# KiCad board Tiboard.kicad_pcb
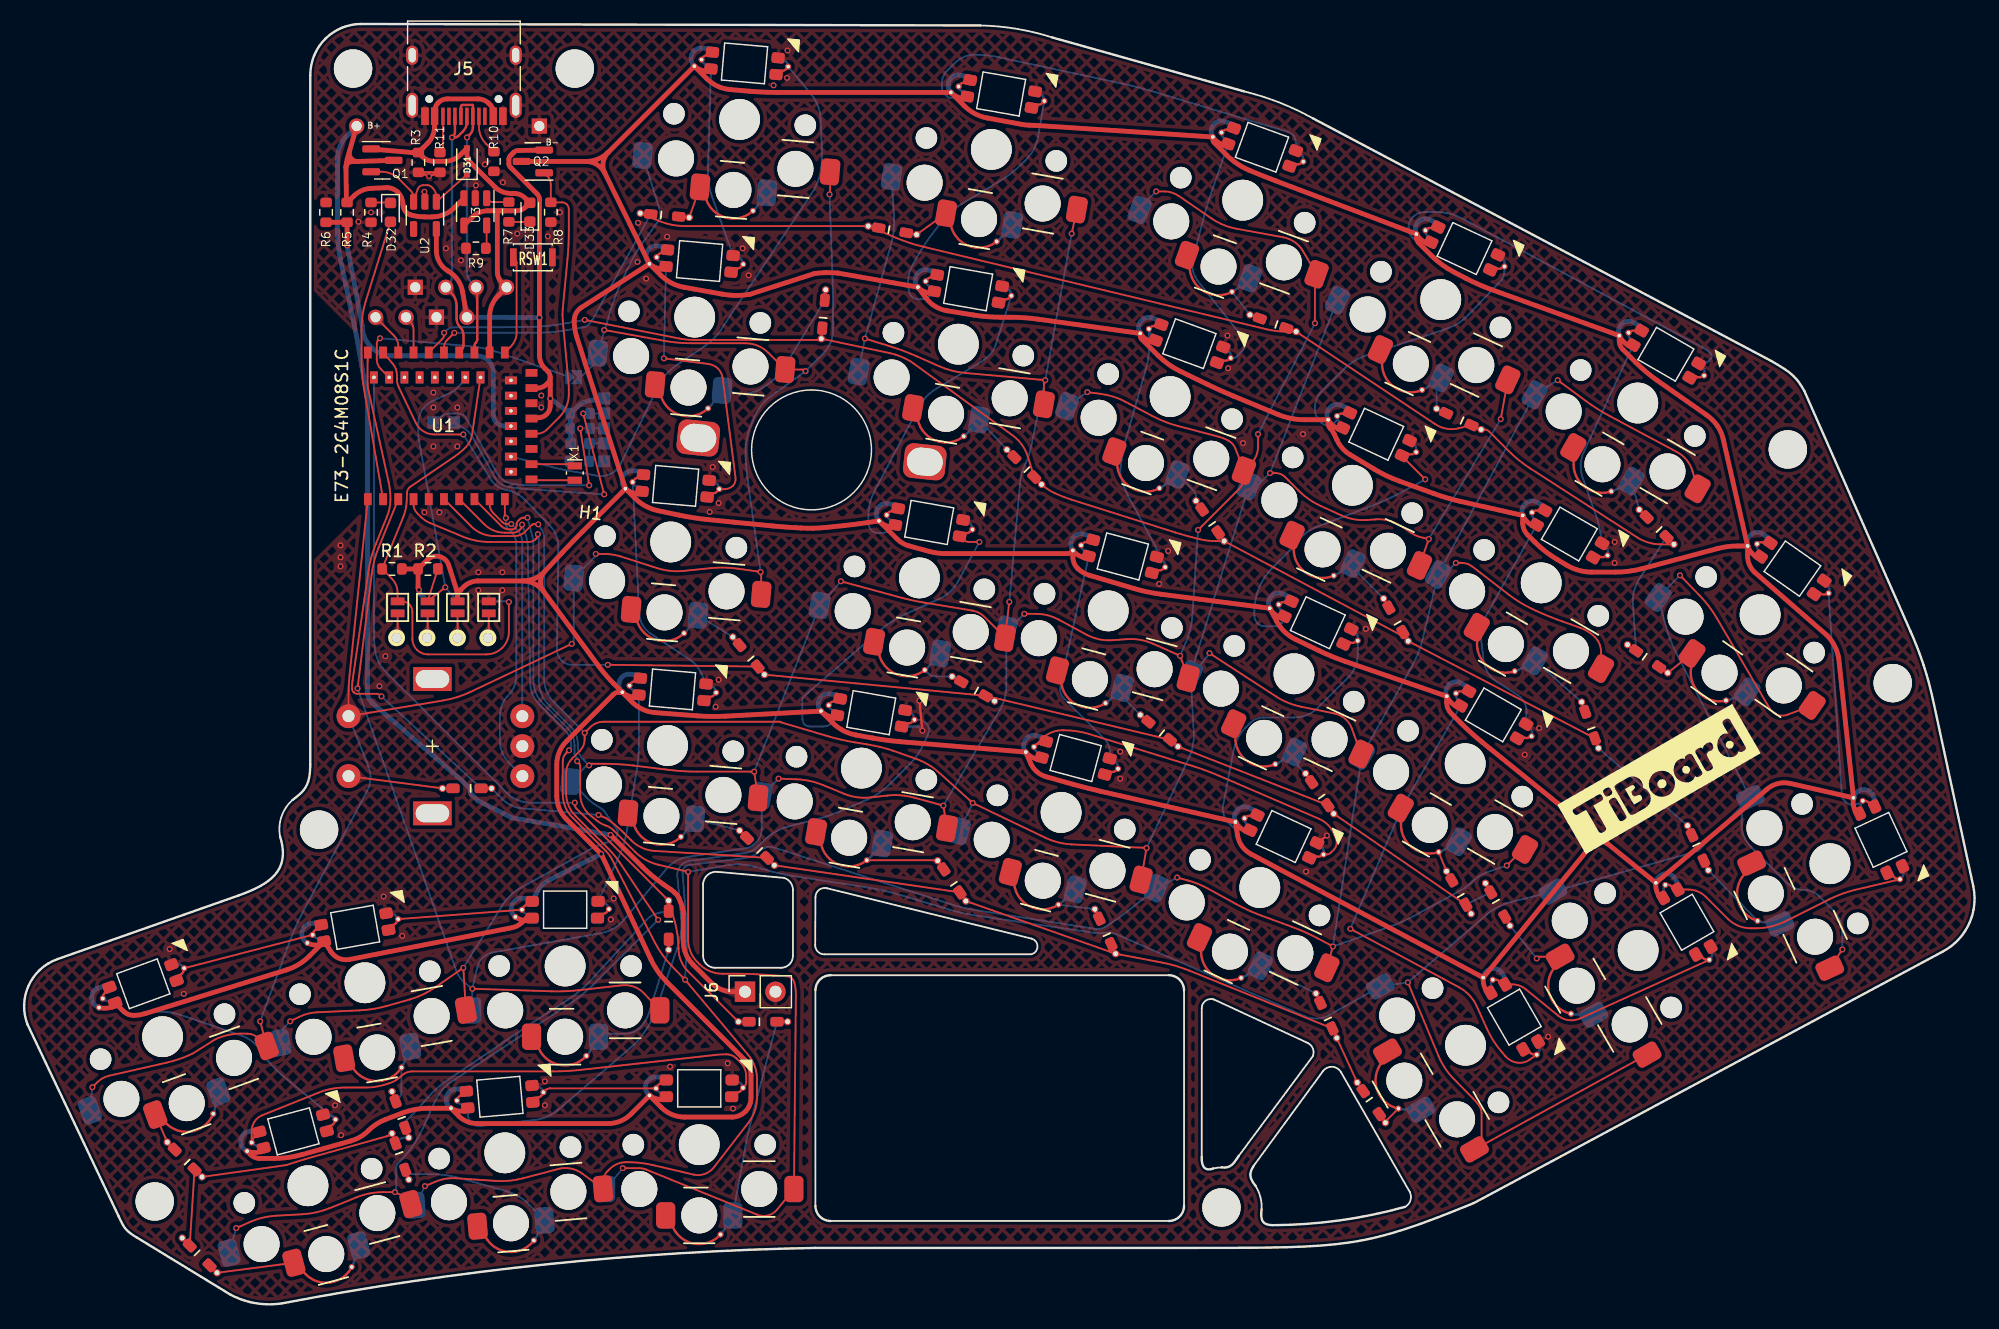
[diagram p0: board, top side]
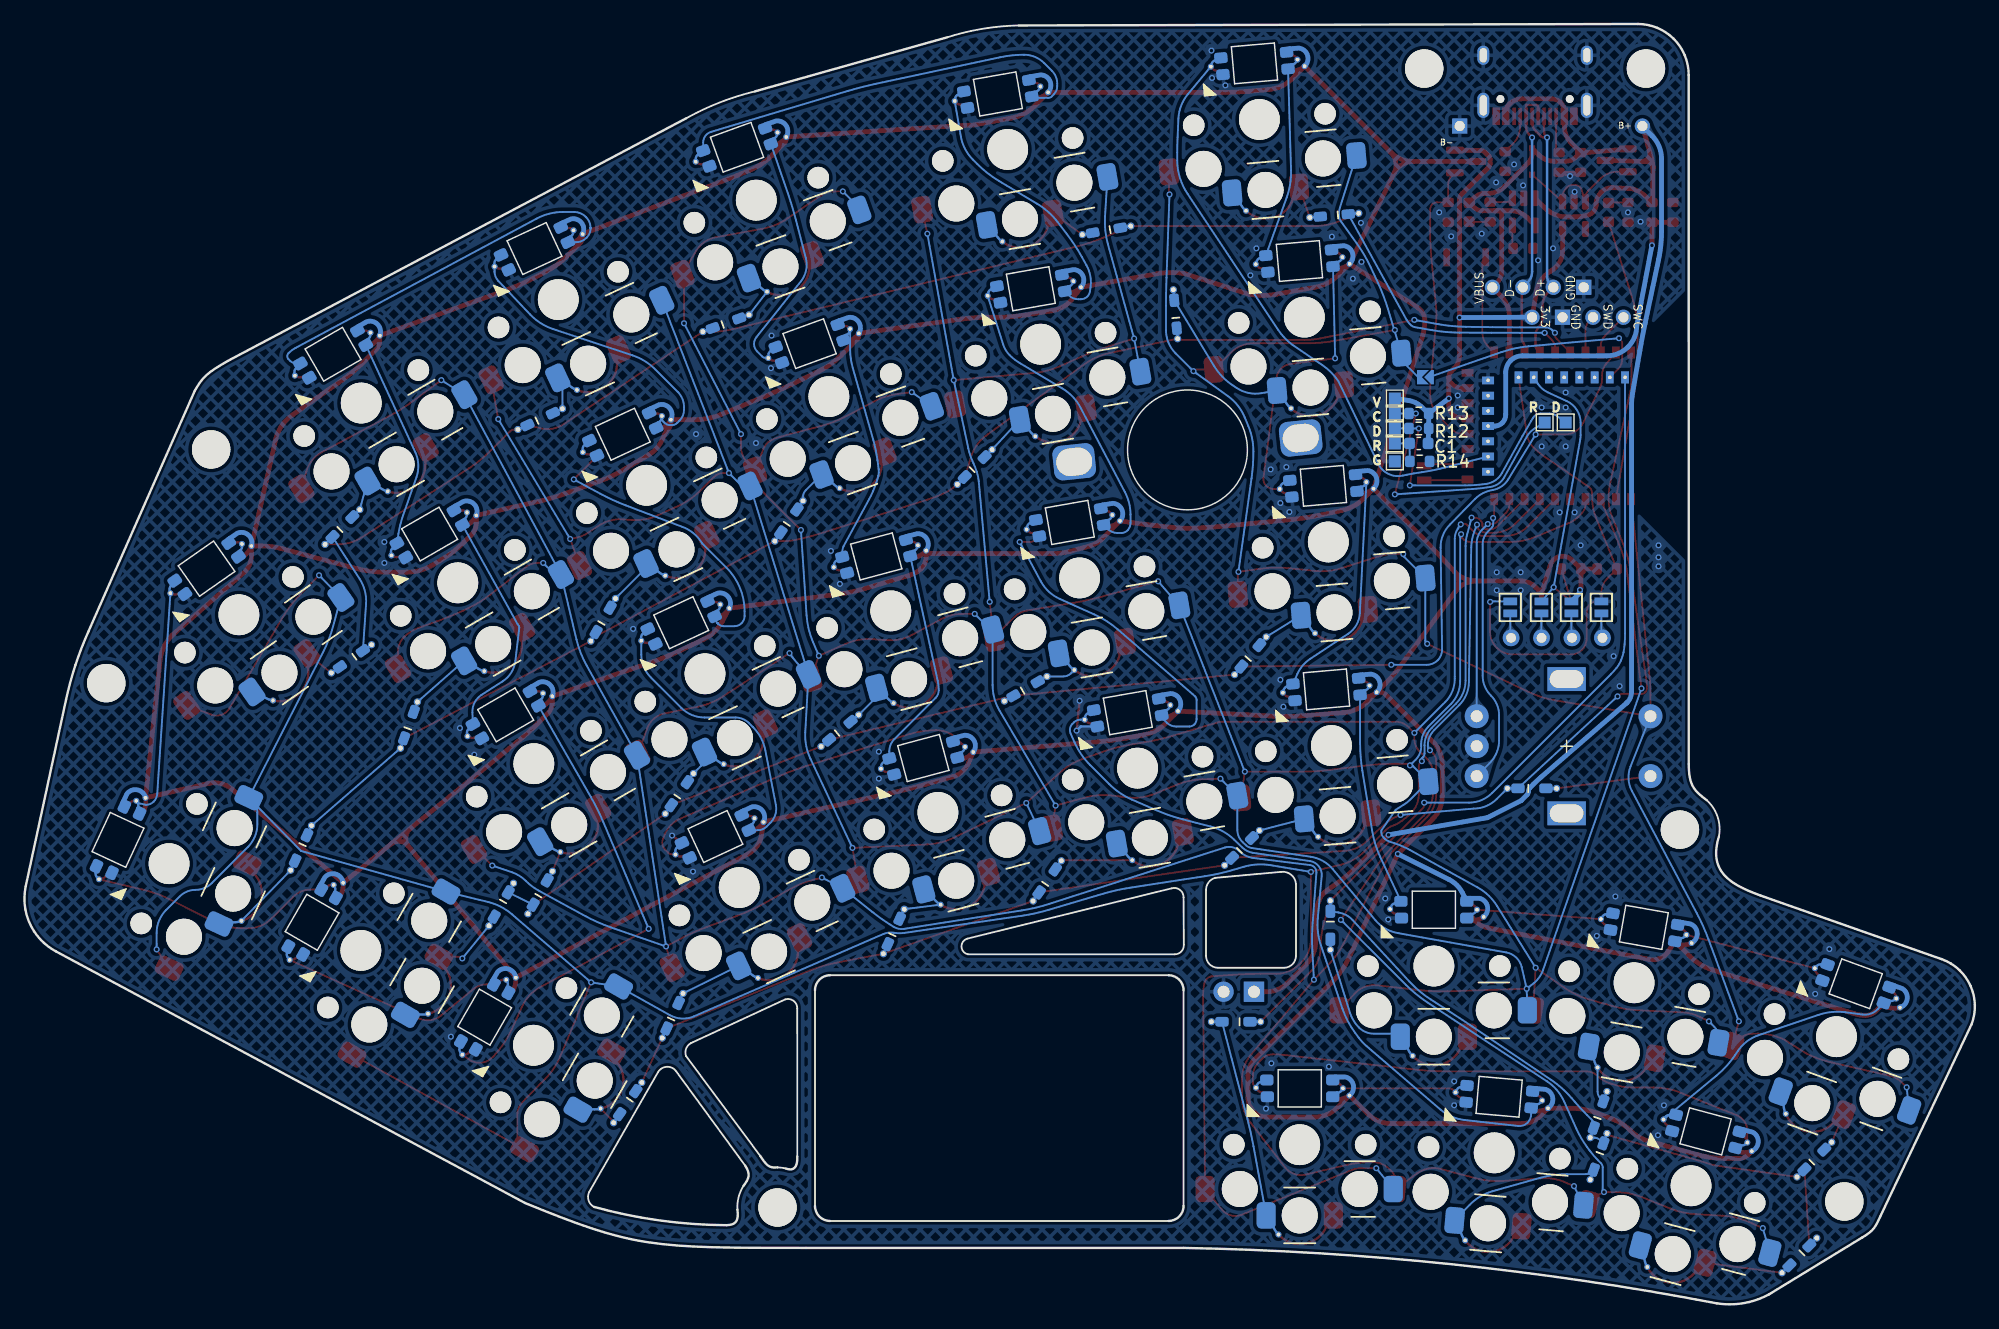
[diagram p1: board, bottom side, seen from below]

Outline 162.77 x 106.89 mm; copper layers: Top, Bottom. Coordinates in mm from the lower left corner of the outline.
Outline path: 0.29,23.42 7.9,7.39 ; 9.4,5.64 17.21,0.87 ; 17.89,34.17 2.8,28.87 ; 21.37,39.07 arc(21.48,40.74) 22.4,42.14 ; 21.56,0.15 arc(43.7,3.41) 66.03,4.77 97.53,4.77 ; 23.89,102.64 23.88,45.14 ; 28.12,106.89 79.78,106.77 arc(82.82,106.48) 85.78,105.77 101.78,101.27 arc(104.73,100.34) 107.53,99.02 145.78,78.77 ; 98.26,12.38 98.26,24.75 arc(98.57,25.38) 99.26,25.5 107.14,21.85 arc(107.54,21.38) 107.53,20.77 101.34,12.44 ; 99.21,11.39 arc(99.56,11.46) 99.92,11.49 ; 102.75,9.93 arc(103.15,8.99) 103.25,7.97 ; 102.59,11.62 108.37,19.51 arc(109.14,19.88) 109.87,19.43 115.62,9.43 arc(115.67,8.73) 115.21,8.19 arc(109.74,7.06) 104.16,6.66 ; 120.96,8.51 160.11,29.51 ; 157.39,56.21 148.53,76.27 ; 162.62,34.96 159.26,50.51 ; 56.65,35.14 56.65,29.14 arc(56.95,28.43) 57.65,28.14 63.15,28.14 arc(63.86,28.43) 64.15,29.14 64.15,34.64 arc(63.95,35.26) 63.4,35.64 57.9,36.14 arc(57.06,35.91) 56.65,35.14 ; 66.03,34.02 66.01,30.05 arc(66.22,29.49) 66.78,29.27 84.03,29.27 arc(84.56,29.9) 84.07,30.57 67.03,34.77 arc(66.34,34.65) 66.03,34.02 ; 66.03,26.27 66.03,8.27 arc(66.4,7.38) 67.28,7.02 95.53,7.02 arc(96.41,7.38) 96.78,8.27 96.78,26.27 arc(96.41,27.15) 95.53,27.52 67.28,27.52 arc(66.4,27.15) 66.03,26.27
Stack: Top 0.035mm / dielectric 1.51mm FR4 er 4.5 / Bottom 0.035mm

## Placement (name value [footprint] x y rotation side)
C1  2.2uF  [C_0603_1608Metric]  46.4 71.89 0 bottom
D1  D  [crkbd-diode-wz-via]  53.45 90.92 355 top
D2  D  [crkbd-diode-wz-via]  72.45 89.67 350 top
D3  D  [crkbd-diode-wz-via]  104.2 81.92 160 top
D4  D  [crkbd-diode-wz-via]  119.7 73.92 155 top
D5  D  [crkbd-diode-wz-via]  136.2 64.92 135 top
D6  D  [crkbd-diode-wz-via]  135.45 53.92 325 top
D7  D  [crkbd-diode-wz-via]  66.7 82.67 85 top
D8  D  [crkbd-diode-wz-via]  83.45 69.92 135 top
D9  D  [crkbd-diode-wz-via]  98.95 65.42 125 top
D10  D  [crkbd-diode-wz-via]  114.45 57.17 120 top
D11  D  [crkbd-diode-wz-via]  130.65 48.39 110 top
D12  D  [crkbd-diode-wz-via]  139.65 38.14 295 top
D13  D  [crkbd-diode-wz-via]  60.45 54.17 130 top
D14  D  [crkbd-diode-wz-via]  79.2 51.42 150 top
D15  D  [crkbd-diode-wz-via]  94.7 47.92 140 top
D16  D  [crkbd-diode-wz-via]  108.09 42.67 125 top
D17  D  [crkbd-diode-wz-via]  119.7 34.42 120 top
D18  D  [crkbd-diode-wz-via]  122.95 33.42 300 top
D19  D  [crkbd-diode-wz-via]  61.15 38.14 135 top
D20  D  [crkbd-diode-wz-via]  77.4 35.39 125 top
D21  D  [crkbd-diode-wz-via]  90.2 31.17 115 top
D22  D  [crkbd-diode-wz-via]  108.65 24.14 115 top
D23  D  [crkbd-diode-wz-via]  31.4 12.39 290 top
D24  D  [crkbd-diode-wz-via]  112.4 16.89 305 top
D25  D  [crkbd-diode-wz-via]  36.96 43.11 180 top
D26  D  [crkbd-diode-wz-via]  13.4 12.14 135 top
D27  D  [crkbd-diode-wz-via]  31.4 15.89 110 top
D28  D  [crkbd-diode-wz-via]  53.78 31.69 270 top
D29  D  [crkbd-diode-wz-via]  14.65 4.14 315 top
D30  D  [crkbd-diode-wz-via]  61.65 23.64 0 top
D31  1N5819  [D_SOD-323F]  36.95 95.42 90 top
D32  BLUE  [LED_0603_1608Metric]  30.57 91.17 270 top
D33  RED  [LED_0603_1608Metric]  42.2 91.18 90 top
H1  MountingHole  [Pointing_Stick]  65.7 71.35 354 top
H2  MountingHole  [MountingHole_3.2mm_M3]  147.15 71.39 0 top
H3  MountingHole  [MountingHole_3.2mm_M3]  45.95 103.17 0 top
H4  MountingHole  [MountingHole_3.2mm_M3]  99.9 8.14 0 top
H4#2  MountingHole  [MountingHole_3.2mm_M3]  10.9 8.64 0 top
H5  MountingHole  [MountingHole_3.2mm_M3]  27.45 103.17 0 top
H6  MountingHole  [MountingHole_3.2mm_M3]  155.9 51.89 0 top
H7  MountingHole  [MountingHole_3.2mm_M3]  24.62 39.66 0 top
J1  Conn_01x04  [connector_swd]  36.95 82.42 270 top
J2  Conn_01x02  [connector_bat]  35.37 98.37 0 top
J3  OLED  [OLED_4Pin]  31.08 55.67 0 top
J4  Conn_01x04  [connector_usb]  32.64 84.92 90 top
J5  USB_C_Receptacle_USB2.0  [USB_C_Receptacle_HRO_TYPE-C-31-M-12]  36.7 103.23 180 top
J6  Conn_01x02  [PinSocket_1x02_P2.54mm_Vertical]  60.15 26.14 90 top
JP1  Jumper_NO_Small  [Jumper]  38.77 58.21 90 top
JP2  Jumper_NO_Small  [Jumper]  36.17 58.21 90 top
JP3  Jumper_NO_Small  [Jumper]  33.67 58.21 90 top
JP4  Jumper_NO_Small  [Jumper]  31.17 58.21 90 top
JP5  Jumper_NO_Small  [Jumper]  38.77 58.21 90 bottom
JP6  Jumper_NO_Small  [Jumper]  36.17 58.21 90 bottom
JP7  Jumper_NO_Small  [Jumper]  33.67 58.21 90 bottom
JP8  Jumper_NO_Small  [Jumper]  31.17 58.21 90 bottom
JP9  SolderJumper_2_Open  [Jumper_SMD]  45.65 77.42 270 bottom
kibuzzard-62E281FD  G***  [kibuzzard-62E281FD]  136.4 43.89 30 top
Q1  AO3407  [SOT-23]  29.9 95.51 0 top
Q2  AO3407  [SOT-23]  42.45 95.42 180 top
R1  R  [R_0603_1608Metric]  30.7 61.42 180 top
R2  R  [R_0603_1608Metric]  33.7 61.42 0 top
R3  100K  [R_0603_1608Metric]  32.9 95.34 270 top
R4  1K  [R_0603_1608Metric]  28.95 91.17 270 top
R5  820K  [R_0603_1608Metric]  26.95 91.17 270 top
R6  2M  [R_0603_1608Metric]  25.2 91.17 90 top
R7  1K  [R_0603_1608Metric]  40.45 91.2 90 top
R8  2M  [R_0603_1608Metric]  43.95 91.18 270 top
R9  RPROG  [R_0603_1608Metric]  37.7 88.17 180 top
R10  5.1K  [R_0603_1608Metric]  39.2 95.42 270 top
R11  5.1K  [R_0603_1608Metric]  34.7 95.34 270 top
R12  4.7K  [R_0603_1608Metric]  46.4 73.14 180 bottom
R13  4.7K  [R_0603_1608Metric]  46.4 74.39 180 bottom
R14  100k  [R_0603_1608Metric]  46.33 70.39 0 bottom
RSW1  SW_RST  [SW_SPST_CK_KXT3]  42.45 87.42 180 top
SW1  SW_PUSH_LED  [Choc_Hotswap_SK6812MiniE_trace]  59.7 98.92 175 top
SW2  SW_PUSH_LED  [Choc_Hotswap_SK6812MiniE_trace]  80.7 96.42 170 top
SW3  SW_PUSH_LED  [Choc_Hotswap_SK6812MiniE_trace]  101.68 92.19 160 top
SW4  SW_PUSH_LED  [Choc_Hotswap_SK6812MiniE_trace#4]  118.2 83.89 155 top
SW5  SW_PUSH_LED  [Choc_Hotswap_SK6812MiniE_trace]  134.63 75.26 150 top
SW6  SW_PUSH_LED  [Choc_Hotswap_SK6812MiniE_trace#5]  144.84 57.59 145 top
SW7  SW_PUSH_LED  [Choc_Hotswap_SK6812MiniE_trace]  55.95 82.43 175 top
SW8  SW_PUSH_LED  [Choc_Hotswap_SK6812MiniE_trace]  77.95 80.17 170 top
SW9  SW_PUSH_LED  [Choc_Hotswap_SK6812MiniE_trace]  95.62 75.8 160 top
SW10  SW_PUSH_LED  [Choc_Hotswap_SK6812MiniE_trace#4]  110.83 68.4 155 top
SW11  SW_PUSH_LED  [Choc_Hotswap_SK6812MiniE_trace]  126.58 60.26 150 top
SW12  SW_PUSH_LED  [Choc_Hotswap_SK6812MiniE_trace#3]  150.67 36.83 115 top
SW13  SW_PUSH_LED  [Choc_Hotswap_SK6812MiniE_trace]  53.95 63.67 175 top
SW14  SW_PUSH_LED  [Choc_Hotswap_SK6812MiniE_trace]  74.7 60.67 170 top
SW15  SW_PUSH_LED  [Choc_Hotswap_SK6812MiniE_trace]  90.45 57.92 165 top
SW16  SW_PUSH_LED  [Choc_Hotswap_SK6812MiniE_trace#4]  105.95 52.67 155 top
SW17  SW_PUSH_LED  [Choc_Hotswap_SK6812MiniE_trace]  120.24 45.17 150 top
SW18  SW_PUSH_LED  [Choc_Hotswap_SK6812MiniE_trace]  134.67 29.59 120 top
SW19  SW_PUSH_LED  [Choc_Hotswap_SK6812MiniE_trace]  53.69 46.68 175 top
SW20  SW_PUSH_LED  [Choc_Hotswap_SK6812MiniE_trace]  69.87 44.8 170 top
SW21  SW_PUSH_LED  [Choc_Hotswap_SK6812MiniE_trace]  86.52 41.1 165 top
SW22  SW_PUSH_LED  [Choc_Hotswap_SK6812MiniE_trace#4]  103.1 34.83 155 top
SW23  SW_PUSH_LED  [Choc_Hotswap_SK6812MiniE_trace]  40.11 12.7 185 top
SW24  SW_PUSH_LED  [Choc_Hotswap_SK6812MiniE_trace]  120.27 21.67 120 top
SW25  Rotary_Encoder_Switch  [RotaryEncoder_Alps_EC11E-Switch_Vertical_H20mm-keebio_modified]  34.08 46.63 180 top
SW26  SW_PUSH_LED  [Choc_Hotswap_SK6812MiniE_trace#2]  11.56 22.39 200 top
SW27  SW_PUSH_LED  [Choc_Hotswap_SK6812MiniE_trace]  28.45 26.89 190 top
SW28  SW_PUSH_LED  [Choc_Hotswap_SK6812MiniE_trace]  45.15 28.29 180 top
SW29  SW_PUSH_LED  [Choc_Hotswap_SK6812MiniE_trace]  23.69 9.95 195 top
SW30  SW_PUSH_LED  [Choc_Hotswap_SK6812MiniE_trace]  56.34 13.38 180 top
TP1  CLK  [TestPoint_Pad_1.0x1.0mm]  48.4 73.14 180 bottom
TP2  DATA  [TestPoint_Pad_1.0x1.0mm]  48.4 74.39 180 bottom
TP3  RST  [TestPoint_Pad_1.0x1.0mm]  48.4 71.89 180 bottom
TP4  VCC  [TestPoint_Pad_1.0x1.0mm]  48.4 75.64 180 bottom
TP5  GND  [TestPoint_Pad_1.0x1.0mm]  48.4 70.39 180 bottom
TP6  CLK  [TestPoint_Pad_1.0x1.0mm]  34.15 73.64 180 bottom
TP7  DATA  [TestPoint_Pad_1.0x1.0mm]  35.9 73.64 180 bottom
U1  E73-2G4M08S1C  [E73-2G4M08S1C-52840]  42.72 73.36 180 top
U2  AP2112K-3.3  [SOT-23-5]  33.45 90.92 270 top
U3  TP4054  [SOT-23-5]  37.65 91.21 270 top
X1  32768kHz  [Crystal_SMD_MicroCrystal_CM9V-T1A-2Pin_1.6x1.0mm]  45.95 69.42 270 top

## Footprints (pads in the part's own frame, mm; a bottom-side part is the same pattern mirrored in y, then rotated)
C_0603_1608Metric
  rrect 0.9x0.95 smd: 1(-0.775,0) 2(0.775,0)
Choc_Hotswap_SK6812MiniE_trace
  round 1.8 hole 1.8 unplated: (-5.5,0) (5.5,0)
  round 3 hole 3 unplated: (-5,3.7) (0,5.9) (5,3.7)
  round 3.4 hole 3.4 unplated: (0,0)
  rrect 1.1x0.9 smd: 1(2.75,-3.999) 2(2.75,-5.399) 3(-2.75,-5.399) 4(-2.7,-3.999)
  rrect 1.1x0.9 smd far side: 1(2.75,-5.399) 2(2.75,-3.999) 3(-2.7,-3.999) 4(-2.75,-5.399)
  custom 1.459x0.716 smd: 1(3.564,-3.88)
  round 0.5 hole 0.3: 1(4.15,-4.1) 2(3.6,-4.7) 4(-3.65,-4.751) 5(-1.773,7.49)
  custom 1.99x1.95 smd far side: 1(4.3,-5.2)
  custom 0.651x0.622 smd far side: 2(3.4,-4.45)
  custom 0.695x0.504 smd: 2(3.4,-5)
  custom 0.652x0.699 smd far side: 4(-3.45,-5.15)
  custom 0.747x0.603 smd: 4(-3.4,-4.45)
  rrect 1.6x2.2 smd far side: 5(-2.8,5.9) 6(7.8,3.7)
  custom 0.811x1.8 smd far side: 5(-2.1,7.1)
  custom 4.373x2.447 smd: 5(1.45,7.8)
  rrect 1.6x2.2 smd: 5(2.8,5.9) 6(-7.9,3.7)
Choc_Hotswap_SK6812MiniE_trace#2
  round 1.8 hole 1.8 unplated: (-5.5,0) (5.5,0)
  round 3 hole 3 unplated: (-5,3.7) (0,5.9) (5,3.7)
  round 3.4 hole 3.4 unplated: (0,0)
  rrect 1.1x0.9 smd: 1(2.75,-3.999) 2(2.75,-5.399) 3(-2.75,-5.399) 4(-2.7,-3.999)
  rrect 1.1x0.9 smd far side: 1(2.75,-5.399) 2(2.75,-3.999) 3(-2.7,-3.999) 4(-2.75,-5.399)
  custom 1.459x0.716 smd: 1(3.564,-3.88)
  round 0.5 hole 0.3: 1(4.15,-4.1) 2(3.6,-4.7) 4(-3.65,-4.751) 5(-1.773,7.49)
  custom 1.99x1.95 smd far side: 1(4.3,-5.2)
  custom 0.651x0.622 smd far side: 2(3.4,-4.45)
  custom 0.695x0.504 smd: 2(3.4,-5)
  custom 0.652x0.699 smd far side: 4(-3.45,-5.15)
  custom 0.747x0.603 smd: 4(-3.4,-4.45)
  rrect 1.6x2.2 smd far side: 5(-2.8,5.9) 6(7.8,3.7)
  custom 0.811x1.8 smd far side: 5(-2.1,7.1)
  custom 4.373x2.447 smd: 5(1.45,7.8)
  rrect 1.6x2.2 smd: 5(2.8,5.9) 6(-7.9,3.7)
Choc_Hotswap_SK6812MiniE_trace#3
  round 1.8 hole 1.8 unplated: (-5.5,0) (5.5,0)
  round 3 hole 3 unplated: (-5,3.7) (0,5.9) (5,3.7)
  round 3.4 hole 3.4 unplated: (0,0)
  rrect 1.1x0.9 smd far side: 1(2.75,-5.399) 2(2.75,-3.999) 3(-2.7,-3.999) 4(-2.75,-5.399)
  rrect 1.1x0.9 smd: 1(2.75,-3.999) 2(2.75,-5.399) 3(-2.75,-5.399) 4(-2.7,-3.999)
  custom 1.459x0.716 smd: 1(3.564,-3.88)
  round 0.5 hole 0.3: 1(4.15,-4.1) 2(3.6,-4.7) 4(-3.65,-4.751) 5(-1.773,7.49)
  custom 1.99x1.95 smd far side: 1(4.3,-5.2)
  custom 0.651x0.622 smd far side: 2(3.4,-4.45)
  custom 0.695x0.504 smd: 2(3.4,-5)
  custom 0.652x0.699 smd far side: 4(-3.45,-5.15)
  custom 0.747x0.603 smd: 4(-3.4,-4.45)
  rrect 1.6x2.2 smd far side: 5(-2.8,5.9) 6(7.8,3.7)
  custom 0.811x1.8 smd far side: 5(-2.1,7.1)
  custom 4.373x2.447 smd: 5(1.45,7.8)
  rrect 1.6x2.2 smd: 5(2.8,5.9) 6(-7.9,3.7)
Choc_Hotswap_SK6812MiniE_trace#4
  round 1.8 hole 1.8 unplated: (-5.5,0) (5.5,0)
  round 3 hole 3 unplated: (-5,3.7) (0,5.9) (5,3.7)
  round 3.4 hole 3.4 unplated: (0,0)
  rrect 1.1x0.9 smd: 1(2.75,-3.999) 2(2.75,-5.399) 3(-2.75,-5.399) 4(-2.7,-3.999)
  rrect 1.1x0.9 smd far side: 1(2.75,-5.399) 2(2.75,-3.999) 3(-2.7,-3.999) 4(-2.75,-5.399)
  custom 1.459x0.716 smd: 1(3.564,-3.88)
  round 0.5 hole 0.3: 1(4.15,-4.1) 2(3.6,-4.7) 4(-3.65,-4.751) 5(-1.773,7.49)
  custom 1.99x1.95 smd far side: 1(4.3,-5.2)
  custom 0.651x0.622 smd far side: 2(3.4,-4.45)
  custom 0.695x0.504 smd: 2(3.4,-5)
  custom 0.652x0.699 smd far side: 4(-3.45,-5.15)
  custom 0.747x0.603 smd: 4(-3.4,-4.45)
  rrect 1.6x2.2 smd far side: 5(-2.8,5.9) 6(7.8,3.7)
  custom 0.811x1.8 smd far side: 5(-2.1,7.1)
  custom 4.373x2.447 smd: 5(1.45,7.8)
  rrect 1.6x2.2 smd: 5(2.8,5.9) 6(-7.9,3.7)
Choc_Hotswap_SK6812MiniE_trace#5
  round 1.8 hole 1.8 unplated: (-5.5,0) (5.5,0)
  round 3 hole 3 unplated: (-5,3.7) (0,5.9) (5,3.7)
  round 3.4 hole 3.4 unplated: (0,0)
  rrect 1.1x0.9 smd: 1(2.75,-3.999) 2(2.75,-5.399) 3(-2.75,-5.399) 4(-2.7,-3.999)
  rrect 1.1x0.9 smd far side: 1(2.75,-5.399) 2(2.75,-3.999) 3(-2.7,-3.999) 4(-2.75,-5.399)
  custom 1.459x0.716 smd: 1(3.564,-3.88)
  round 0.5 hole 0.3: 1(4.15,-4.1) 2(3.6,-4.7) 4(-3.65,-4.751) 5(-1.773,7.49)
  custom 1.99x1.95 smd far side: 1(4.3,-5.2)
  custom 0.651x0.622 smd far side: 2(3.4,-4.45)
  custom 0.695x0.504 smd: 2(3.4,-5)
  custom 0.652x0.699 smd far side: 4(-3.45,-5.15)
  custom 0.747x0.603 smd: 4(-3.4,-4.45)
  rrect 1.6x2.2 smd far side: 5(-2.8,5.9) 6(7.8,3.7)
  custom 0.811x1.8 smd far side: 5(-2.1,7.1)
  custom 4.373x2.447 smd: 5(1.45,7.8)
  rrect 1.6x2.2 smd: 5(2.8,5.9) 6(-7.9,3.7)
connector_bat
  round 1.27 hole 0.85: 1(-7.62,0)
  rect 1.27x1.27 hole 0.85: 2(7.62,0)
connector_swd
  oval 1.27x1.27 hole 0.85: 1(0,0) 3(0,-5.08) 4(0,-7.62)
  rect 1.27x1.27 hole 0.85: 2(0,-2.54)
connector_usb
  rect 1.27x1.27 hole 0.85: 1(0,0)
  oval 1.27x1.27 hole 0.85: 2(0,-2.54) 3(0,-5.08) 4(0,-7.62)
crkbd-diode-wz-via
  round 0.6 hole 0.4: 1(-2.05,0) 2(2.05,0)
  custom 0.93x0.2 smd: 1(-1.75,0)
  custom 1.08x0.2 smd far side: 1(-1.75,0) 2(1.72,0)
  rrect 1.1x0.8 smd: 1(-1.17,0) 2(1.17,0)
  rrect 1.1x0.8 smd far side: 1(-1.17,0) 2(1.17,0)
  custom 1.08x0.2 smd: 2(1.75,0)
Crystal_SMD_MicroCrystal_CM9V-T1A-2Pin_1.6x1.0mm
  rect 0.6x1.2 smd: 1(-0.6,0) 2(0.6,0)
D_SOD-323F
  rect 0.5x0.5 smd: 1(-1.1,0) 2(1.1,0)
E73-2G4M08S1C-52840
  rect 0.65x1 smd: 1(14.03,6.119) 2(12.76,6.119) 3(11.49,6.119) 4(10.22,6.119) 5(8.95,6.119) 6(7.68,6.119) 7(6.41,6.119) 8(5.14,6.119) 9(3.87,6.119) 10(2.6,6.119) 26(2.6,-6.119) 27(3.87,-6.119) 29(5.14,-6.119) 31(6.41,-6.119) 33(7.68,-6.119) 35(8.95,-6.119) 37(10.22,-6.119) 39(11.49,-6.119) 41(12.76,-6.119) 43(14.03,-6.119)
  rect 1x0.65 smd: 11(0.381,4.47) 13(0.381,3.2) 15(0.381,1.93) 17(0.381,0.66) 19(0.381,-0.61) 21(0.381,-1.88) 23(0.381,-3.15) 25(0.381,-4.42)
  rect 1x0.65 hole 0.3: 12(2.092,3.833) 14(2.092,2.563) 16(2.092,1.293) 18(2.092,0.023) 20(2.092,-1.247) 22(2.092,-2.517) 24(2.092,-3.787)
  rect 0.65x1 hole 0.3: 28(4.632,-4.041) 30(5.902,-4.041) 32(7.172,-4.041) 34(8.442,-4.041) 36(9.712,-4.041) 38(10.982,-4.041) 40(12.252,-4.041) 42(13.522,-4.041)
Jumper
  rect 0.635x1.143 smd: 1(-0.5,0) 2(0.5,0)
Jumper_SMD
  custom 1.2x0.8 smd: 1(0,0.1)
  custom 1.2x1 smd: 2(0,-0.8)
LED_0603_1608Metric
  rrect 0.875x0.95 smd: 1(-0.787,0) 2(0.787,0)
MountingHole_3.2mm_M3
  round 3.2 hole 3.2 unplated: (0,0)
OLED_4Pin
  round 1.397 hole 0.813: 1(0,0) 2(2.54,0) 3(5.08,0) 4(7.62,0)
PinSocket_1x02_P2.54mm_Vertical
  rect 1.7x1.7 hole 1: 1(0,0)
  oval 1.7x1.7 hole 1: 2(0,-2.54)
Pointing_Stick
  rrect 3.5x2.9 hole 3x2.3: 1(-9.5,0) 1(9.5,0)
R_0603_1608Metric
  rrect 0.8x0.95 smd: 1(-0.825,0) 2(0.825,0)
RotaryEncoder_Alps_EC11E-Switch_Vertical_H20mm-keebio_modified
  round 2 hole 1: A(-7.5,2.5) B(-7.5,-2.5) C(-7.5,0) S1(7,-2.5) S2(7,2.5)
  rect 3.2x2 hole 2.8x1.5: MP(0,5.6) MP(0,-5.6)
SOT-23
  rrect 1.475x0.6 smd: 1(-0.938,0.95) 2(-0.938,-0.95) 3(0.938,0)
SOT-23-5
  rrect 1.325x0.6 smd: 1(-1.137,0.95) 2(-1.137,0) 3(-1.137,-0.95) 4(1.137,-0.95) 5(1.137,0.95)
SW_SPST_CK_KXT3
  rect 0.55x1.5 smd: 1(-1.625,0) 2(1.625,0)
TestPoint_Pad_1.0x1.0mm
  rect 1x1 smd: 1(0,0)
USB_C_Receptacle_HRO_TYPE-C-31-M-12
  round 0.65 hole 0.65 unplated: (-2.89,2.6) (2.89,2.6)
  rect 0.6x1.45 smd: A1(-3.25,4.045) A4(-2.45,4.045) A9(2.45,4.045) A12(3.25,4.045) B1(3.25,4.045) B4(2.45,4.045) B9(-2.45,4.045) B12(-3.25,4.045)
  rect 0.3x1.45 smd: A5(-1.25,4.045) A6(-0.25,4.045) A7(0.25,4.045) A8(1.25,4.045) B5(1.75,4.045) B6(0.75,4.045) B7(-0.75,4.045) B8(-1.75,4.045)
  oval 1x2.1 hole 0.6x1.7: S1(-4.32,3.13) S1(4.32,3.13)
  oval 1x1.6 hole 0.6x1.2: S1(-4.32,-1.05) S1(4.32,-1.05)

## Nets
GND: J1.2 J2.2 J4.1 J5.A1 J5.A12 J5.B1 J5.B12 J5.S1 J6.2 JP1.2 JP8.2 R3.2 R4.2 R6.2 R8.2 R9.2 R10.2 R11.2 R14.1 RSW1.1 SW1.3 SW2.3 SW3.3 SW4.3 SW5.3 SW6.3 SW7.3 SW8.3 SW9.3 SW10.3 SW11.3 SW12.3 SW13.3 SW14.3 SW15.3 SW16.3 SW17.3 SW18.3 SW19.3 SW20.3 SW21.3 SW22.3 SW23.3 SW24.3 SW25.C SW26.3 SW27.3 SW28.3 SW29.3 SW30.3 TP5.1 U1.5 U1.21 U1.24 U2.2 U3.2
VBAT: J2.1 J6.1 Q1.3 R5.1 U3.3
VBUS: D31.2 D33.2 J4.4 J5.A4 J5.A9 J5.B4 J5.B9 Q1.1 R3.1 U1.27 U3.4
/P0.00: U1.11 X1.2
/P0.01: U1.13 X1.1
/P0.07: U1.22
/P0.12: U1.20
/P0.20: U1.32
/P0.22: U1.34
/P0.26: U1.12
/P1.00: U1.36
/P1.02: U1.38
/P1.04: JP9.1 U1.40
BATTERY_PIN: R5.2 R6.1 U1.18
BLUE_LED: D32.2 U1.2
CC1: J5.A5 R10.1
CC2: J5.B5 R11.1
col0: SW6.6 SW12.6 SW18.6 SW24.6 SW30.6 U1.8
col1: SW5.6 SW11.6 SW17.6 SW22.6 SW23.6 U1.7
col2: SW4.6 SW10.6 SW16.6 SW21.6 SW29.6 U1.6
col3: SW3.6 SW9.6 SW15.6 SW20.6 SW28.6 U1.3
col4: SW2.6 SW8.6 SW14.6 SW19.6 SW27.6 U1.4
DATA: U1.16
DATA+: J4.2 J5.A6 J5.B6 U1.31
DATA-: J4.3 J5.A7 J5.B7 U1.29
DCCH: U1.25
ENCA: SW25.A U1.10
ENCB: SW25.B U1.9
EXT_VCC: JP2.2 JP7.2 Q2.3 R1.1 R2.1 SW1.1 SW2.1 SW3.1 SW4.1 SW5.1 SW6.1 SW7.1 SW8.1 SW9.1 SW10.1 SW11.1 SW12.1 SW13.1 SW14.1 SW15.1 SW16.1 SW17.1 SW18.1 SW19.1 SW20.1 SW21.1 SW22.1 SW23.1 SW24.1 SW26.1 SW27.1 SW28.1 SW29.1 SW30.1
LED: SW1.4 U1.14
nRF_VDD: C1.1 J1.1 Q2.2 R12.2 R13.2 TP4.1 U1.19 U1.23 U2.5
POWER_PIN: Q2.1 R8.1 U1.17
PROG: U1.15
RESET: RSW1.2 U1.26
row0: D1.1 D2.1 D3.1 D4.1 D5.1 D6.1 U1.33
row1: D7.1 D8.1 D9.1 D10.1 D11.1 D12.1 U1.35
row2: D13.1 D14.1 D15.1 D16.1 D17.1 D18.1 U1.41
row3: D19.1 D20.1 D21.1 D22.1 D24.1 D25.1 U1.43
row4: D23.1 D26.1 D27.1 D28.1 D29.1 D30.1 U1.42
SCL: JP3.2 JP6.2 R2.2 U1.30
SDA: JP4.2 JP5.2 R1.2 U1.28
SW25A: JP9.2 SW1.6 SW7.6 SW13.6 SW25.S1 SW26.6 U1.1
SW25B: D25.2 SW25.S2
SWC: J1.4 U1.39
SWD: J1.3 U1.37
Net-(C1-Pad2): C1.2 R14.2 TP3.1
Net-(D1-Pad2): D1.2 SW1.5
Net-(D2-Pad2): D2.2 SW2.5
Net-(D3-Pad2): D3.2 SW3.5
Net-(D4-Pad2): D4.2 SW4.5
Net-(D5-Pad2): D5.2 SW5.5
Net-(D6-Pad2): D6.2 SW6.5
Net-(D7-Pad2): D7.2 SW7.5
Net-(D8-Pad2): D8.2 SW8.5
Net-(D9-Pad2): D9.2 SW9.5
Net-(D10-Pad2): D10.2 SW10.5
Net-(D11-Pad2): D11.2 SW11.5
Net-(D12-Pad2): D12.2 SW12.5
Net-(D13-Pad2): D13.2 SW13.5
Net-(D14-Pad2): D14.2 SW14.5
Net-(D15-Pad2): D15.2 SW15.5
Net-(D16-Pad2): D16.2 SW16.5
Net-(D17-Pad2): D17.2 SW17.5
Net-(D18-Pad2): D18.2 SW18.5
Net-(D19-Pad2): D19.2 SW19.5
Net-(D20-Pad2): D20.2 SW20.5
Net-(D21-Pad2): D21.2 SW21.5
Net-(D22-Pad2): D22.2 SW22.5
Net-(D23-Pad2): D23.2 SW23.5
Net-(D24-Pad2): D24.2 SW24.5
Net-(D26-Pad2): D26.2 SW26.5
Net-(D27-Pad2): D27.2 SW27.5
Net-(D28-Pad2): D28.2 SW28.5
Net-(D29-Pad2): D29.2 SW29.5
Net-(D30-Pad2): D30.2 SW30.5
Net-(D31-Pad1): D31.1 Q1.2 U2.1 U2.3
Net-(D32-Pad1): D32.1 R4.1
Net-(D33-Pad1): D33.1 R7.1
Net-(J3-Pad1): J3.1 JP4.1 JP8.1
Net-(J3-Pad2): J3.2 JP3.1 JP7.1
Net-(J3-Pad3): J3.3 JP2.1 JP6.1
Net-(J3-Pad4): J3.4 JP1.1 JP5.1
Net-(R7-Pad2): R7.2 U3.1
Net-(R9-Pad1): R9.1 U3.5
Net-(R12-Pad1): R12.1 TP1.1 TP6.1
Net-(R13-Pad1): R13.1 TP2.1 TP7.1
Net-(SW1-Pad2): SW1.2 SW7.4
Net-(SW2-Pad2): SW2.2 SW3.4
Net-(SW2-Pad4): SW2.4 SW8.2
Net-(SW3-Pad2): SW3.2 SW9.4
Net-(SW4-Pad2): SW4.2 SW5.4
Net-(SW10-Pad2): SW4.4 SW10.2
Net-(SW10-Pad4): SW10.4 SW16.2
Net-(SW11-Pad2): SW11.2 SW17.4
Net-(SW11-Pad4): SW5.2 SW11.4
Net-(SW12-Pad2): SW6.4 SW12.2
Net-(SW12-Pad4): SW12.4 SW18.2
Net-(SW13-Pad2): SW13.2 SW19.4
Net-(SW13-Pad4): SW7.2 SW13.4
Net-(SW14-Pad2): SW8.4 SW14.2
Net-(SW14-Pad4): SW14.4 SW20.2
Net-(SW15-Pad2): SW15.2 SW21.4
Net-(SW15-Pad4): SW9.2 SW15.4
Net-(SW16-Pad4): SW16.4 SW22.2
Net-(SW17-Pad2): SW17.2 SW24.4
Net-(SW18-Pad4): SW18.4 SW24.2
Net-(SW19-Pad2): SW19.2 SW28.4
Net-(SW20-Pad4): SW20.4 SW23.2
Net-(SW21-Pad2): SW21.2 SW22.4
Net-(SW23-Pad4): SW23.4 SW30.2
Net-(SW26-Pad2): SW26.2 SW29.4
Net-(SW26-Pad4): SW26.4 SW27.2
Net-(SW27-Pad4): SW27.4 SW28.2
Net-(SW29-Pad2): SW29.2 SW30.4

Pads without a net: H1 1; J5 A8 B8; SW6 2; SW25 MP; U2 4

## Via types
v1: diameter 0.5, hole 0.3, Top to Bottom, 163 vias
